# Allegro board ZC7020-PCB.brd (continued)
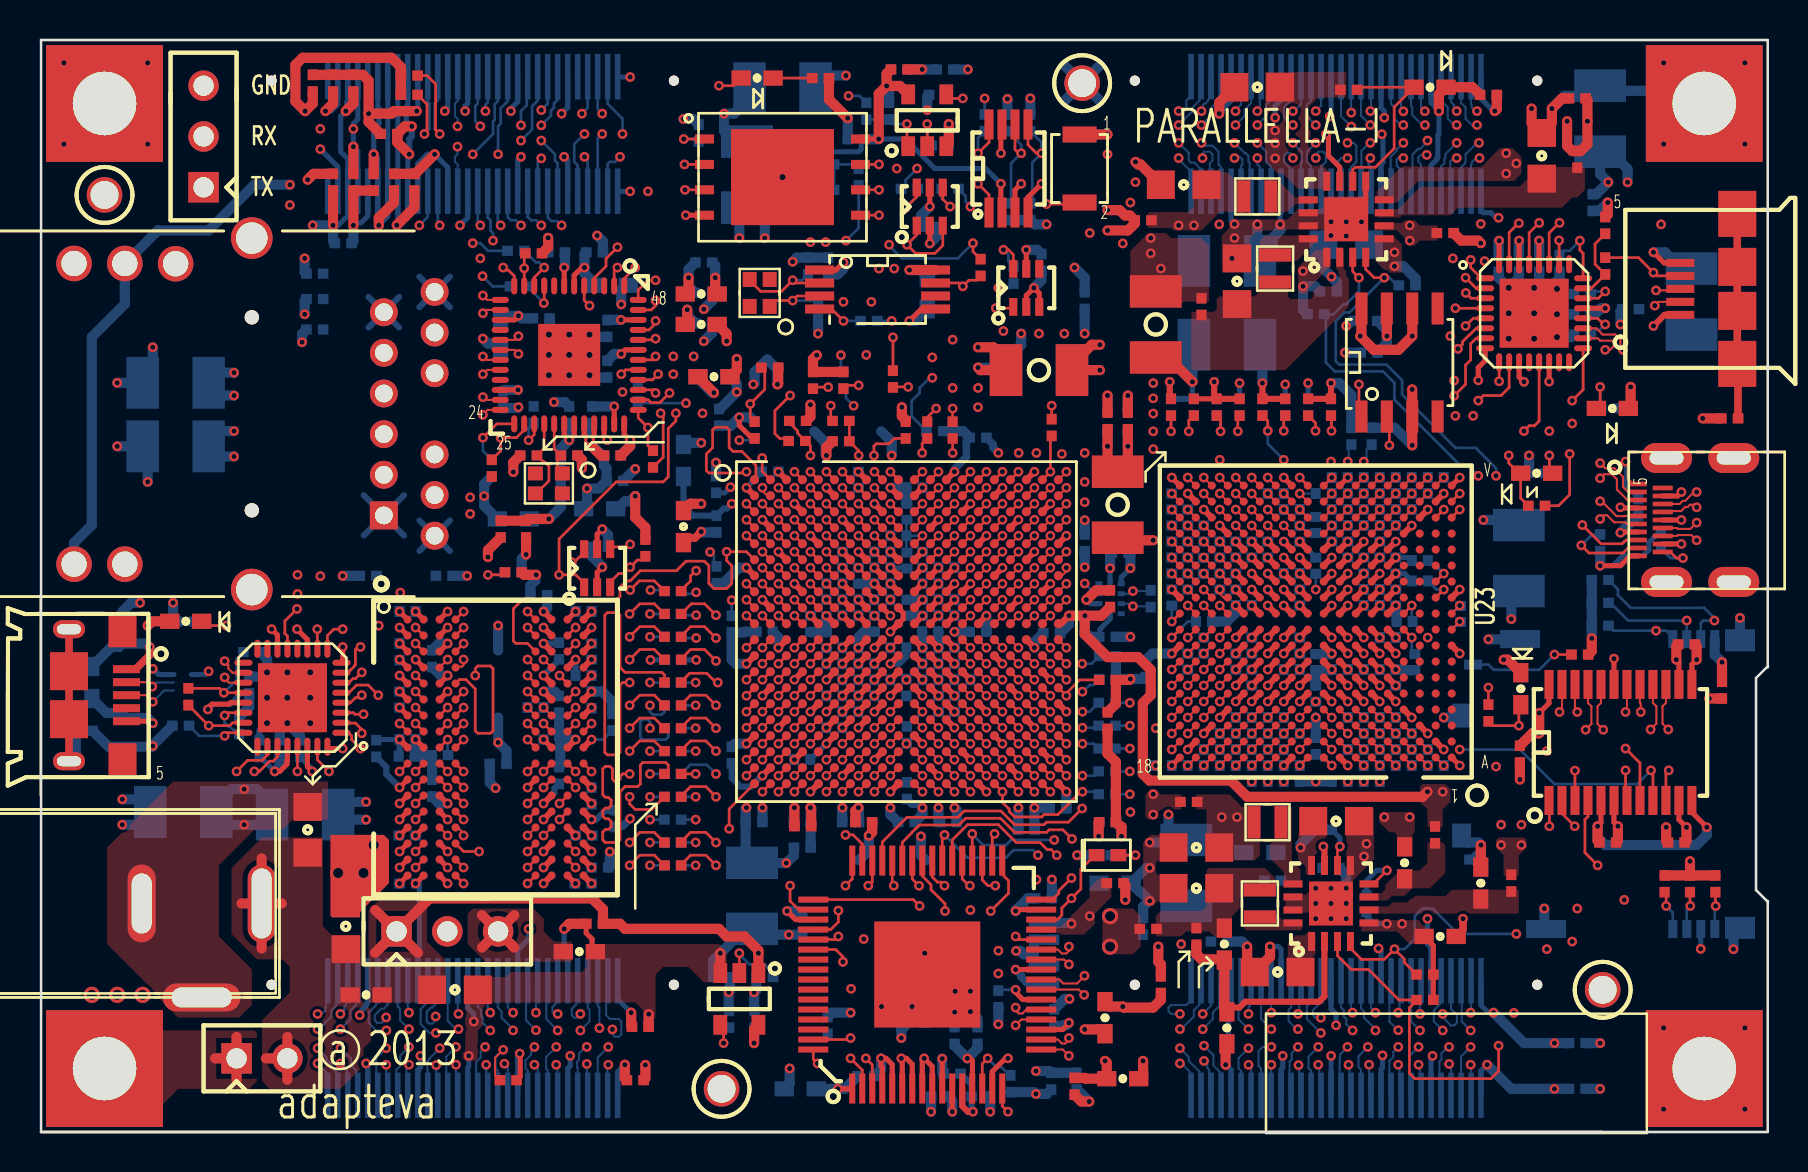
[diagram p0: board, top side]
## Routing (per net, layer and track width the routed paths; a pad name or vN(x,y) marks a point on that pad's centre or on a via; arc(x,y) is an arc through that point) (continued)
TXI_SO_WR_WAIT_P: length 25.7
  TOP w0.102: U23.T10 v1(63.01,31.13)
  L8_SIG w0.095: v1(63.81,50.36) 63.62,50.36 63.41,50.15 63.41,47.81 64.11,47.12 64.11,41.25 63.84,40.98 63.06,40.98 62.97,40.88 62.97,40.5 63.06,40.41 63.84,40.41 64.11,40.13 64.11,37.75 64.12,37.74 64.12,37.16 64.11,37.15 64.11,36.04 63.24,35.17 63.24,33.21 63.43,33.02 63.43,31.25 63.3,31.13 v1(63.01,31.13)
  BOTTOM w0.102: J9.36 63.57,51.58 63.36,51.37 63.36,50.8 v1(63.81,50.36)
TXO_EA_DATA0_N: length 12.8
  TOP w0.102: U2.J19 v1(50.54,26.62) ; U23.G15 v1(59.01,23.13)
  L8_SIG w0.095: v1(59.01,23.13) 58.6,23.54 58.6,24.09 58.51,24.18 58.37,24.32 56.46,24.32 56.22,24.56 56.22,24.93 56.01,25.14 55.65,25.5 53.11,25.5 53.01,25.4 50.35,25.4 50.13,25.62 50.13,26.21 v1(50.54,26.62)
TXO_EA_DATA0_P: length 12.7
  TOP w0.102: U2.K19 v1(50.54,25.82) ; U23.H15 v1(59.01,23.93)
  L8_SIG w0.095: v1(59.01,23.93) 59.01,23.68 59.15,23.54 59.33,23.54 59.42,23.62 59.42,24.87 59.15,25.14 56.44,25.14 55.78,25.8 52.99,25.8 52.56,26.23 50.94,26.23 v1(50.54,25.82)
TXO_EA_DATA1_N: length 14.9
  TOP w0.102: U2.L15 v1(47.34,24.22) ; U23.F16 v1(58.21,22.33)
  L8_SIG w0.095: v1(58.21,22.33) 58.21,22.08 58.07,21.94 56.44,21.94 56.22,22.16 56.22,22.45 55.74,22.92 55.74,23.23 54.97,24 54.28,24 53.65,24.64 48.19,24.64 47.93,24.89 47.12,24.89 47.04,24.82 47.04,24.51 v1(47.34,24.22)
TXO_EA_DATA1_P: length 14.9
  TOP w0.102: U2.L14 v1(46.54,24.22) ; U23.G16 v1(58.21,23.13)
  L8_SIG w0.095: v1(46.54,24.22) 46.74,24.42 46.74,24.94 46.99,25.2 48.06,25.2 48.31,24.94 53.77,24.94 54.41,24.31 55.09,24.31 56.05,23.35 56.05,23.05 56.36,22.74 57.82,22.74 v1(58.21,23.13)
TXO_EA_DATA2_N: length 12
  TOP w0.102: U2.L17 v1(48.94,24.22) ; U23.E17 v1(57.41,21.53)
  L5_SIG w0.095: v1(57.41,21.53) 57.67,21.53 57.79,21.64 57.79,21.8 57.67,21.92 56.41,21.92 56.09,22.23 55.9,22.23 54.97,23.16 54.36,23.16 53.84,23.68 53.84,23.86 53.06,24.64 49.36,24.64 v1(48.94,24.22)
TXO_EA_DATA2_P: length 12
  TOP w0.102: U2.L16 v1(48.14,24.22) ; U23.F17 v1(57.41,22.33)
  L5_SIG w0.095: v1(57.41,22.33) 57.02,22.72 56.41,22.72 56.23,22.53 56.03,22.53 55.09,23.47 54.49,23.47 54.15,23.81 54.15,23.99 53.19,24.94 48.86,24.94 v1(48.14,24.22)
TXO_EA_DATA3_N: length 12.9
  TOP w0.102: U23.D18 v1(56.61,20.73) ; U2.M15 v1(47.34,23.42)
  L3_SIG w0.095: v1(56.61,20.73) 56.87,20.73 57,20.85 57,21.01 56.87,21.14 56.44,21.14 56.36,21.22 55.41,21.22 54.74,21.89 54.28,21.89 52.17,24 51.73,24 51.55,23.83 47.93,23.83 47.62,23.52 47.44,23.52 v1(47.34,23.42)
TXO_EA_DATA3_P: length 13.2
  TOP w0.102: U23.E18 v1(56.61,21.53) ; U2.M14 v1(46.54,23.42)
  L3_SIG w0.095: v1(56.61,21.53) 55.54,21.53 54.87,22.2 54.41,22.2 52.3,24.31 51.8,24.31 51.5,24.61 47.97,24.61 47.73,24.36 47.73,24.06 47.5,23.83 46.94,23.83 v1(46.54,23.42)
TXO_EA_DATA4_N: length 11.5
  TOP w0.102: U23.E15 v1(59.01,21.53) ; U2.L20 v1(51.34,24.22)
  L10_SIG w0.095: v1(59.01,21.53) 59.01,21.77 58.62,22.16 58.62,22.53 58.43,22.72 56.46,22.72 56.31,22.86 56.31,22.87 56.22,22.96 56.22,23.22 55.43,24.01 53.52,24.01 52.73,24.79 51.23,24.79 51.09,24.65 51.09,24.47 v1(51.34,24.22)
TXO_EA_DATA4_P: length 11.6
  TOP w0.102: U23.F15 v1(59.01,22.33) ; U2.L19 v1(50.54,24.22)
  L10_SIG w0.095: v1(50.54,24.22) 50.78,24.47 50.78,24.78 51.1,25.1 52.86,25.1 53.64,24.31 55.56,24.31 56.35,23.52 58.37,23.52 58.62,23.27 58.62,22.96 59.01,22.57 v1(59.01,22.33)
TXO_EA_DATA5_N: length 10.5
  TOP w0.102: U2.M20 v1(51.34,23.42) ; U23.D16 v1(58.21,20.73)
  L8_SIG w0.095: v1(58.21,20.73) 58.18,20.7 57.93,20.7 57.72,20.48 57.72,20.44 57.61,20.34 56.38,20.34 56.18,20.53 56.18,20.83 55.63,21.39 55.63,21.95 54.98,22.59 54.98,22.86 54.68,23.16 53.9,23.16 53.23,23.83 51.97,23.83 51.65,23.52 51.43,23.52 v1(51.34,23.42)
TXO_EA_DATA5_P: length 11
  TOP w0.102: U2.M19 v1(50.54,23.42) ; U23.E16 v1(58.21,21.53)
  L8_SIG w0.095: v1(58.21,21.53) 57.57,21.12 56.33,21.12 55.93,21.51 55.93,22.07 55.29,22.72 55.29,22.99 54.8,23.47 54.03,23.47 53.36,24.14 51.84,24.14 51.52,23.82 50.94,23.82 v1(50.54,23.42)
TXO_EA_DATA6_N: length 11.9
  TOP w0.102: U23.C17 v1(57.41,19.93) ; U2.M18 v1(49.74,23.42)
  L5_SIG w0.095: v1(49.74,23.42) 49.74,23.2 49.91,23.03 51.66,23.03 51.73,23.1 51.73,23.58 52.03,23.88 52.43,23.88 53.65,22.66 53.65,22.4 54.16,21.89 54.79,21.89 55.25,21.44 55.25,21.01 55.67,20.58 56.15,20.58 56.42,20.32 57.19,20.32 57.41,20.1 v1(57.41,19.93)
TXO_EA_DATA6_P: length 11.9
  TOP w0.102: U2.M17 v1(48.94,23.42) ; U23.D17 v1(57.41,20.73)
  L5_SIG w0.095: v1(48.94,23.42) 49.33,23.81 51.53,23.81 51.9,24.18 52.55,24.18 53.95,22.78 53.95,22.53 54.28,22.2 54.92,22.2 55.55,21.56 55.55,21.13 55.8,20.89 56.1,20.89 56.32,21.12 57.02,21.12 v1(57.41,20.73)
TXO_EA_DATA7_N: length 12.4
  TOP w0.102: U2.N16 v1(48.14,22.62) ; U23.B18 v1(56.61,19.13)
  L3_SIG w0.095: v1(56.61,19.13) 56.36,19.37 56.03,19.37 55.93,19.47 55.14,19.47 55.04,19.57 54.07,19.57 53.24,20.4 53.24,21.54 52.3,22.48 51.87,22.48 51.62,22.23 51.11,22.23 51.09,22.21 48.08,22.21 47.96,22.34 47.96,22.49 48.08,22.62 v1(48.14,22.62)
TXO_EA_DATA7_P: length 12.7
  TOP w0.102: U2.N15 v1(47.34,22.62) ; U23.C18 v1(56.61,19.93)
  L3_SIG w0.095: v1(47.34,22.62) 47.73,23.01 51.64,23.01 51.87,22.78 52.43,22.78 53.55,21.67 53.55,20.52 54.2,19.87 55.17,19.87 55.26,19.78 56.05,19.78 56.15,19.68 56.36,19.68 v1(56.61,19.93)
TXO_EA_FRAME_N: length 11.4
  TOP w0.102: U2.H20 v1(51.34,27.42) ; U23.J15 v1(59.01,24.73)
  L10_SIG w0.095: v1(51.34,27.42) 50.94,27.03 50.94,26.46 51.19,26.21 53.34,26.21 54.03,25.53 55.68,25.53 56.11,25.96 56.73,25.96 57.55,25.14 58.59,25.14 v1(59.01,24.73)
TXO_EA_FRAME_P: length 11.7
  TOP w0.102: U23.K15 v1(59.01,26.33) ; U2.J20 v1(51.34,26.62)
  L10_SIG w0.095: v1(59.01,26.33) 59.24,26.33 59.36,26.2 59.36,25.81 59,25.44 57.67,25.44 56.85,26.26 55.98,26.26 55.55,25.83 54.15,25.83 53.47,26.52 52.89,26.52 52.76,26.64 52.76,26.91 52.63,27.04 52.09,27.04 52.03,27.1 51.73,27.1 51.62,26.99 51.62,26.75 51.49,26.62 v1(51.34,26.62)
TXO_EA_LCLK_N: length 11.2
  TOP w0.102: U23.F18 v1(56.61,22.33) ; U2.K18 v1(49.74,25.82)
  L3_SIG w0.095: v1(56.61,22.33) 56.61,22.53 56.48,22.66 56.31,22.66 56.19,22.53 56.19,22.35 56.06,22.22 55.91,22.22 55.6,22.53 55.6,22.96 54.97,23.6 54.36,23.6 52.63,25.32 49.46,25.32 49.33,25.45 49.33,25.69 49.46,25.82 v1(49.74,25.82)
TXO_EA_LCLK_P: length 12.5
  TOP w0.102: U2.K17 v1(48.94,25.82) ; U23.G18 v1(56.61,23.13)
  L3_SIG w0.095: v1(56.61,23.13) 57,22.74 57,22.16 56.75,21.92 55.78,21.92 55.3,22.4 55.3,22.83 54.84,23.29 54.23,23.29 52.5,25.02 49.33,25.02 49.02,25.32 49.02,25.73 v1(48.94,25.82)
TXO_NO_DATA0_N: length 22.7
  TOP w0.102: U23.D11 v1(62.21,20.73)
  L8_SIG w0.095: v1(62.21,20.73) 62.62,20.32 62.62,17.22 62.28,16.89 62.28,16.38 61.65,15.75 61.65,14.5 62.31,13.84 62.31,12.57 61.65,11.91 61.65,10.49 62.28,9.85 62.28,8.26 62.03,8 61.57,8 61.44,7.87 61.44,7.37 62.44,6.37 62.44,4.08 62.55,3.97 62.55,3.65 62.26,3.37 v1(61.58,3.37)
  BOTTOM w0.102: J8.43 61.57,3.35 v1(61.58,3.37)
TXO_NO_DATA0_P: length 22.8
  TOP w0.102: U23.D12 v1(61.41,20.73)
  L8_SIG w0.095: v1(61.41,20.73) 61.81,20.32 61.81,16.98 61.98,16.82 61.98,16.51 61.34,15.87 61.34,14.38 62,13.72 62,12.7 61.34,12.04 61.34,10.36 61.98,9.73 61.98,8.38 61.9,8.31 61.44,8.31 61.14,8 61.14,7.24 62.13,6.25 62.13,4.38 62,4.25 v1(61.58,4.25)
  BOTTOM w0.102: J8.45 61.07,3.17 60.95,3.3 60.95,4.05 61.15,4.25 v1(61.58,4.25)
TXO_NO_DATA1_N: length 22.7
  TOP w0.102: U23.C12 v1(61.41,19.93)
  L8_SIG w0.095: v1(61.41,19.93) 61.41,20.19 61.28,20.32 61.14,20.32 61,20.18 61,18.56 61.01,18.54 61.01,17.32 60.71,17.02 60.71,15.42 60.3,15.01 58.98,15.01 58.85,14.88 58.85,13.31 58.98,13.18 60.35,13.18 60.66,12.88 60.66,12.34 60.35,12.04 59.82,12.04 59.69,11.91 59.69,11.31 59.94,11.06 59.94,8.58 60.26,8.25 60.26,7.12 61.14,6.25 61.14,5.74 61.29,5.59 61.46,5.59 61.58,5.71 v1(61.58,5.97)
  BOTTOM w0.102: v1(61.58,5.97) 61.57,5.98 J8.44
TXO_NO_DATA1_P: length 23.1
  TOP w0.102: U23.C13 v1(60.61,19.93)
  L8_SIG w0.095: v1(60.61,19.93) 60.22,19.54 60.22,17.33 60.4,17.14 60.4,15.54 60.17,15.32 58.85,15.32 58.55,15.01 58.55,13.18 58.85,12.88 60.23,12.88 60.35,12.75 60.35,12.47 60.23,12.34 59.69,12.34 59.39,12.04 59.39,11.18 59.63,10.94 59.63,8.45 59.96,8.13 59.96,7 60.84,6.12 60.84,5.61 61.17,5.28 61.24,5.28 61.38,5.14 v1(61.58,5.14)
  BOTTOM w0.102: v1(61.58,5.14) 61.07,5.66 J8.46
TXO_NO_DATA2_N: length 23.1
  TOP w0.102: U23.B13 v1(60.61,19.13)
  L5_SIG w0.095: v1(60.61,19.13) 61,18.74 61,17.24 60.78,17.02 60.78,15.13 60.38,14.73 58.9,14.73 58.65,14.48 58.65,13.28 59.24,12.7 59.87,12.7 60.17,12.39 60.17,9.91 59.87,9.6 59.62,9.6 59.46,9.45 59.46,6.76 59.62,6.6 60.89,6.6 61.19,6.3 61.19,4.11 v1(60.45,3.36)
  BOTTOM w0.102: J8.47 60.57,3.23 v1(60.45,3.36)
TXO_NO_DATA2_P: length 23.5
  TOP w0.102: U23.B14 v1(59.81,19.13)
  L5_SIG w0.095: v1(60.44,4.19) 60.41,4.16 60.41,4.11 60.53,4.11 60.89,4.47 60.89,6.17 60.76,6.3 59.49,6.3 59.16,6.63 59.16,9.58 59.49,9.91 59.74,9.91 59.87,10.03 59.87,12.27 59.74,12.4 59.11,12.4 58.35,13.16 58.35,14.6 58.78,15.04 60.25,15.04 60.47,15.26 60.47,17.02 60.2,17.29 60.2,18.72 59.81,19.11 v1(59.81,19.13)
  BOTTOM w0.102: J8.49 60.07,3.05 59.95,3.17 59.95,3.7 v1(60.44,4.19)
TXO_NO_DATA3_N: length 23.3
  TOP w0.102: U23.A14 v1(59.81,18.33)
  L3_SIG w0.095: v1(60.44,5.91) 60.44,5.71 60.31,5.59 60.12,5.59 60,5.71 60,6.71 59.72,6.99 58.75,6.99 58.65,7.08 58.65,7.46 58.75,7.56 59.72,7.56 60,7.83 60,8.64 59.92,8.71 59.92,10.29 60.63,11 60.63,11.81 60.33,12.12 58.73,12.12 58.6,12.24 58.6,13.87 58.7,13.97 59.09,13.97 59.49,13.97 59.74,14.22 59.74,14.86 59.45,15.15 58.7,15.15 58.6,15.25 58.6,15.95 59.31,16.66 59.31,18.08 59.4,18.16 59.4,18.7 59.49,18.8 59.56,18.8 59.81,18.55 v1(59.81,18.33)
  BOTTOM w0.102: v1(60.44,5.91) 60.44,6.22 60.51,6.29 60.51,7.5 J8.48
TXO_NO_DATA3_P: length 23.5
  TOP w0.102: U23.A15 v1(59.01,18.33)
  L3_SIG w0.095: v1(60.44,5.14) 60.07,5.14 59.69,5.52 59.69,6.59 59.6,6.68 58.62,6.68 58.35,6.96 58.35,7.59 58.62,7.86 59.6,7.86 59.69,7.96 59.69,8.51 59.62,8.59 59.62,10.41 60.33,11.12 60.33,11.68 60.2,11.81 58.6,11.81 58.3,12.12 58.3,14 58.57,14.27 58.77,14.27 59.36,14.27 59.44,14.35 59.44,14.73 59.33,14.85 58.57,14.85 58.3,15.12 58.3,16.08 59.01,16.79 v1(59.01,18.33)
  BOTTOM w0.102: J8.50 60.07,6.3 59.95,6.17 59.95,5.64 v1(60.44,5.14)
TXO_NO_DATA4_N: length 24.2
  TOP w0.102: U23.D13 v1(60.61,20.73)
  L8_SIG w0.095: v1(58.22,4.32) 58.22,4.11 58.09,3.99 57.84,3.99 57.71,4.11 57.71,6.2 56.69,7.22 56.69,9.92 56.25,10.35 56.25,11.49 57.08,12.32 57.08,15.31 57.14,15.37 57.14,15.81 57.48,16.15 57.48,17.85 57.8,18.16 57.8,19.27 58.04,19.52 58.35,19.52 58.6,19.76 58.6,20.09 58.83,20.32 60.2,20.32 v1(60.61,20.73)
  BOTTOM w0.102: v1(58.22,4.32) 58.69,3.85 58.69,3.33 59.07,2.94 J8.53
TXO_NO_DATA4_P: length 24
  TOP w0.102: U23.D14 v1(59.81,20.73)
  L8_SIG w0.095: v1(59.81,20.73) 59.56,20.73 59.17,21.12 58.84,21.12 58.62,20.89 58.62,20.56 58.37,20.32 58.04,20.32 57.82,20.09 57.82,19.78 57.57,19.54 57.26,19.54 57,19.27 57,18.09 57.18,17.91 57.18,16.38 56.83,16.04 56.83,15.49 56.77,15.43 56.77,12.45 55.94,11.62 55.94,10.23 56.38,9.79 56.38,7.1 57.41,6.07 57.41,3.99 57.71,3.68 58.09,3.68 v1(58.22,3.56)
  BOTTOM w0.102: J8.55 58.47,1.93 58.47,3.11 58.38,3.2 58.38,3.39 v1(58.22,3.56)
TXO_NO_DATA5_N: length 24.3
  TOP w0.102: U23.C14 v1(59.81,19.93)
  L8_SIG w0.095: v1(58.16,5.14) 58.72,5.71 58.72,7.33 58.88,7.49 58.98,7.49 59.24,7.75 59.24,8.26 58.93,8.56 58.02,8.56 57.89,8.69 57.89,9.02 58.02,9.14 58.85,9.14 59.11,9.4 59.11,10.25 58.77,10.59 57.15,10.59 57.05,10.69 57.05,11.07 57.15,11.16 57.62,11.16 57.89,11.44 57.89,15.55 58.47,16.13 58.98,16.13 59.42,16.56 59.42,19.31 59.81,19.7 v1(59.81,19.93)
  BOTTOM w0.102: J8.54 58.98,7.47 58.98,6.3 58.66,5.98 58.66,5.65 v1(58.16,5.14)
TXO_NO_DATA5_P: length 23.8
  TOP w0.102: U23.C15 v1(59.01,19.93)
  L8_SIG w0.095: v1(58.16,5.91) 58.07,5.99 58.07,6.53 58.17,6.63 58.3,6.63 58.41,6.75 58.41,7.46 58.75,7.8 58.85,7.8 58.93,7.87 58.93,8.13 58.8,8.25 57.89,8.25 57.58,8.56 57.58,9.14 57.89,9.45 58.73,9.45 58.8,9.52 58.8,10.13 58.64,10.29 57.02,10.29 56.75,10.56 56.75,11.19 57.02,11.47 57.49,11.47 57.58,11.56 57.58,15.67 58.35,16.43 58.85,16.43 59.11,16.69 59.11,17.77 59.01,17.87 58.74,17.87 58.62,17.99 58.62,19.43 58.72,19.53 59.19,19.53 59.38,19.72 59.38,19.89 59.26,20.01 59.09,20.01 v1(59.01,19.93)
  BOTTOM w0.102: J8.56 58.57,6.32 v1(58.16,5.91)
TXO_NO_DATA6_N: length 23.7
  TOP w0.102: U23.B15 v1(59.01,19.13)
  L5_SIG w0.095: v1(59.01,19.13) 59.4,18.74 59.4,18.11 59.13,17.84 59.13,17.17 57.76,15.8 57.76,13.08 57.46,12.78 56.95,12.78 56.87,12.7 56.87,12.32 56.95,12.24 57.46,12.24 57.97,11.73 57.97,10.54 57.53,10.11 56.82,10.11 56.63,9.92 56.63,8.5 56.95,8.18 57.46,8.18 57.76,7.87 57.76,7.42 56.36,6.02 56.36,4.22 56.58,4 56.82,4 v1(57.01,4.19)
  BOTTOM w0.102: J8.57 57.99,1.92 57.99,3.02 57.46,3.56 57.46,3.75 v1(57.01,4.19)
TXO_NO_DATA6_P: length 23.3
  TOP w0.102: U23.B16 v1(58.21,19.13)
  L5_SIG w0.095: v1(58.21,19.13) 58.6,18.74 58.6,18.08 58.83,17.84 58.83,17.3 57.46,15.93 57.46,13.21 57.33,13.08 56.82,13.08 56.57,12.83 56.57,12.19 56.82,11.94 57.33,11.94 57.66,11.61 57.66,10.67 57.41,10.41 56.7,10.41 56.32,10.04 56.32,8.37 56.82,7.87 57.33,7.87 57.46,7.75 57.46,7.54 56.06,6.15 56.06,4.09 56.45,3.7 56.81,3.7 57.01,3.49 v1(57.01,3.43)
  BOTTOM w0.102: J8.59 57.51,1.9 57.51,3.02 57.15,3.38 57.1,3.43 v1(57.01,3.43)
TXO_NO_DATA7_N: length 24
  TOP w0.102: U23.A16 v1(58.21,18.33)
  L3_SIG w0.095: v1(58.21,18.33) 58.21,18.3 57.96,18.05 57.96,16.7 57.76,16.5 57.76,13.18 57.49,12.9 56.59,12.9 56.49,12.81 56.49,12.43 56.59,12.33 57.58,12.33 57.89,12.03 57.89,11.13 57.58,10.83 56.44,10.83 56.31,10.7 56.31,10.41 56.44,10.29 57.58,10.29 58.02,9.86 58.02,8.37 57.71,8.06 56.85,8.06 56.76,7.97 56.76,7.58 56.85,7.49 57.49,7.49 57.76,7.22 57.76,5.64 57.27,5.14 v1(57.01,5.14)
  BOTTOM w0.102: J8.58 57.99,7.48 57.99,6.37 57.71,6.09 57.71,5.78 57.08,5.14 v1(57.01,5.14)
TXO_NO_DATA7_P: length 23.9
  TOP w0.102: U23.A17 v1(57.41,18.33)
  L3_SIG w0.095: v1(57.41,18.33) 57.41,18.31 57.65,18.07 57.65,16.83 57.46,16.63 57.46,13.3 57.36,13.21 56.46,13.21 56.19,12.94 56.19,12.3 56.46,12.03 57.46,12.03 57.58,11.9 57.58,11.26 57.46,11.13 56.31,11.13 56.01,10.83 56.01,10.29 56.31,9.98 57.46,9.98 57.71,9.73 57.71,8.49 57.58,8.37 56.72,8.37 56.45,8.09 56.45,7.46 56.72,7.18 57.36,7.18 57.46,7.09 57.46,5.77 57.28,5.59 57.14,5.59 57.01,5.71 v1(57.01,5.91)
  BOTTOM w0.102: v1(57.01,5.91) 56.57,5.91 56.44,6.03 56.44,6.22 56.57,6.35 57.33,6.35 57.57,6.59 J8.60
TXO_NO_FRAME_N: length 22.3
  TOP w0.102: U23.D9 v1(64.61,20.73)
  L8_SIG w0.095: v1(63.93,3.37) 64.68,3.37 65,3.68 65,4.83 65.21,5.04 65.21,5.59 64.81,5.99 64.81,6.87 64.1,7.58 64.1,9.66 63.27,10.49 63.27,12.75 63.78,13.26 63.78,15.67 63.38,16.08 63.38,17.64 63.42,17.69 63.42,17.69 63.71,17.98 63.71,19.2 64.2,19.69 64.2,20.61 64.32,20.73 v1(64.61,20.73)
  BOTTOM w0.102: J8.33 63.98,1.92 63.98,3.31 v1(63.93,3.37)
TXO_NO_FRAME_P: length 22.4
  TOP w0.102: U23.D10 v1(63.01,20.73)
  L8_SIG w0.095: v1(63.01,20.73) 63.24,20.95 63.3,20.95 63.42,20.84 63.42,19.34 63.4,19.33 63.4,18.1 63.11,17.81 63.11,17.81 63.07,17.77 63.07,17.52 63.07,15.95 63.48,15.55 63.48,13.39 62.97,12.88 62.97,10.36 63.79,9.54 63.79,7.46 64.51,6.74 64.51,5.57 64.43,5.5 64.43,5.09 64.7,4.83 64.7,4.38 64.57,4.25 v1(63.93,4.25)
  BOTTOM w0.102: v1(63.93,4.25) 63.45,3.77 63.45,3.19 63.57,3.06 J8.35
TXO_NO_LCLK_N: length 22.9
  TOP w0.102: U23.A12 v1(61.41,18.33)
  L3_SIG w0.095: v1(62.94,3.34) 63.51,3.91 63.51,4.42 63.61,4.52 63.61,6.39 62.41,7.59 62.41,10.54 61.65,11.31 61.65,12.75 61.39,13 61.14,13 60.89,13.26 60.89,14.48 61.14,14.73 62.92,14.73 63.3,15.11 63.3,15.67 62.92,16.05 61.39,16.05 60.89,16.56 60.89,17.02 61.02,17.15 61.02,18.16 61.18,18.33 v1(61.41,18.33)
  BOTTOM w0.102: v1(62.94,3.34) 62.94,3.34 62.98,3.3 62.98,1.93 J8.37
TXO_NO_LCLK_P: length 22.9
  TOP w0.102: U23.A13 v1(60.61,18.33)
  L3_SIG w0.095: v1(62.92,4.25) 63.31,4.65 63.31,6.26 62.11,7.47 62.11,10.41 61.34,11.18 61.34,12.63 61.27,12.7 61.01,12.7 60.58,13.13 60.58,14.6 61.01,15.04 62.79,15.04 62.99,15.24 62.99,15.54 62.79,15.75 61.27,15.75 60.58,16.43 60.58,16.94 60.22,17.31 60.22,17.94 v1(60.61,18.33)
  BOTTOM w0.102: J8.39 62.5,1.91 62.5,3.53 62.6,3.63 62.6,3.94 v1(62.92,4.25)
TXO_SO_DATA0_N: length 24.1
  TOP w0.102: U23.R12 v1(61.41,30.33)
  L10_SIG w0.095: v1(60.89,49.47) 60.58,49.47 60.13,49.02 60.13,47.36 61.28,46.22 61.28,44.76 61.59,44.44 61.59,36.49 61.28,36.18 61.28,35.55 61.02,35.29 61.02,34.78 61.28,34.52 61.28,33.27 61.02,33.01 61.02,30.72 v1(61.41,30.33)
  BOTTOM w0.102: v1(60.89,49.47) 61.33,49.02 61.33,48.51 61.57,48.27 J9.43
TXO_SO_DATA0_P: length 23.6
  TOP w0.102: U23.R11 v1(62.21,30.33)
  L10_SIG w0.095: v1(62.21,30.33) 62.21,30.08 62.07,29.95 61.93,29.95 61.8,30.08 61.8,33.06 61.58,33.27 61.58,34.66 61.8,34.87 61.8,35.33 61.58,35.55 61.58,36.06 61.89,36.37 61.89,44.57 61.58,44.88 61.58,46.35 60.44,47.49 60.44,48.9 60.57,49.02 60.76,49.02 60.89,48.9 v1(60.89,48.7)
  BOTTOM w0.102: J9.45 61.01,47.11 61.01,48.26 60.89,48.39 v1(60.89,48.7)
TXO_SO_DATA1_N: length 24.4
  TOP w0.102: U23.T13 v1(60.61,31.13)
  L8_SIG w0.095: v1(60.89,50.36) 60.64,50.36 60.19,49.9 60.19,47.94 61.27,46.86 61.27,45.56 61.28,45.55 61.28,45.23 61.27,45.22 61.27,44.63 61.59,44.31 61.59,36.62 61.22,36.25 61.22,35.43 61.02,35.23 61.02,34.8 61.22,34.6 61.22,33.27 61.01,33.07 61.01,31.14 60.89,31.01 60.72,31.01 v1(60.61,31.13)
  BOTTOM w0.102: J9.44 61.52,52.72 61.52,51.56 61.33,51.37 61.33,50.8 v1(60.89,50.36)
TXO_SO_DATA1_P: length 24.4
  TOP w0.102: U23.T12 v1(61.41,31.13)
  L8_SIG w0.095: v1(60.89,51.05) 61.39,50.55 61.39,50.22 61.11,49.94 60.66,49.94 60.5,49.77 60.5,48.07 61.57,46.99 61.57,45.69 61.58,45.68 61.58,45.1 61.57,45.09 61.57,44.75 61.89,44.43 61.89,36.49 61.52,36.12 61.52,35.5 61.82,35.21 61.82,34.75 61.52,34.46 61.52,33.27 61.8,33 61.8,31.52 v1(61.41,31.13)
  BOTTOM w0.102: v1(60.89,51.05) 60.89,51.18 61.01,51.31 61.01,52.72 J9.46
TXO_SO_DATA2_N: length 24.6
  TOP w0.102: U23.U14 v1(59.81,31.93)
  L8_SIG w0.095: v1(59.74,49.47) 59.55,49.28 59.55,49.26 59.25,48.96 59.25,46.58 60.19,45.64 60.19,44.91 60.39,44.7 60.39,44.08 60.07,43.76 60.07,43.02 60.39,42.7 60.39,41.03 60.3,40.93 59.92,40.93 59.64,40.66 59.64,40.02 59.92,39.75 60.3,39.75 60.39,39.65 60.39,39.27 60.3,39.18 59.92,39.18 59.64,38.91 59.64,38.27 59.92,38 60.3,38 60.39,37.9 60.39,36.63 59.82,36.05 59.82,35.5 59.52,35.2 59.52,34.88 59.62,34.78 59.62,33.22 59.42,33.02 59.42,32.32 v1(59.81,31.93)
  BOTTOM w0.102: J9.47 60.51,47.11 60.51,48.46 60.44,48.52 60.44,48.82 60.32,48.94 60.27,48.94 v1(59.74,49.47)
TXO_SO_DATA2_P: length 24.2
  TOP w0.102: U23.U13 v1(60.61,31.93)
  L8_SIG w0.095: v1(60.61,31.93) 60.71,31.83 60.71,31.67 60.58,31.55 60.32,31.55 60.2,31.67 60.2,33.07 59.92,33.35 59.92,34.47 60.3,34.85 60.3,35.2 60.12,35.38 60.12,35.38 60.12,35.93 60.7,36.5 60.7,38.03 60.42,38.3 60.04,38.3 59.95,38.4 59.95,38.78 60.04,38.87 60.42,38.87 60.7,39.15 60.7,39.78 60.42,40.06 60.04,40.06 59.95,40.15 59.95,40.53 60.04,40.63 60.42,40.63 60.7,40.9 60.7,42.83 60.38,43.15 60.38,43.63 60.7,43.95 60.7,44.83 60.49,45.03 60.49,45.77 59.55,46.71 59.55,48.58 59.68,48.7 v1(59.74,48.7)
  BOTTOM w0.102: J9.49 60.07,48.32 60.14,48.38 60.14,48.64 60.01,48.77 59.81,48.77 v1(59.74,48.7)
TXO_SO_DATA3_N: length 24.6
  TOP w0.102: U23.V15 v1(59.01,32.73)
  L3_SIG w0.095: v1(59.01,32.73) 58.6,33.13 58.6,35.23 58.92,35.55 58.92,36.88 59.17,37.13 59.17,42.61 60.19,43.62 60.19,46.85 60.09,46.95 59.01,46.95 58.7,47.25 58.7,47.82 59.01,48.13 60.09,48.13 60.19,48.22 60.19,50.23 60.06,50.36 v1(59.79,50.36)
  BOTTOM w0.102: v1(59.79,50.36) 60.25,50.81 60.25,51.13 60.57,51.45 J9.48
TXO_SO_DATA3_P: length 24.5
  TOP w0.102: U23.V14 v1(59.81,32.73)
  L3_SIG w0.095: v1(59.81,32.73) 59.42,33.12 59.42,34.86 59.44,34.88 59.44,35.33 59.22,35.55 59.22,36.75 59.48,37.01 59.48,42.48 60.49,43.5 60.49,46.98 60.22,47.25 59.13,47.25 59.01,47.38 59.01,47.7 59.13,47.82 60.22,47.82 60.49,48.1 60.49,50.35 60.25,50.59 60.25,50.92 60.12,51.05 v1(59.79,51.05)
  BOTTOM w0.102: v1(59.79,51.05) 59.95,51.21 59.95,51.26 60.07,51.38 J9.50
TXO_SO_DATA4_N: length 24.7
  TOP w0.102: U23.R14 v1(59.81,30.33)
  L10_SIG w0.095: v1(59.81,30.33) 59.42,30.72 59.42,33.02 59.69,33.3 59.69,34.7 59.52,34.88 59.52,35.2 59.69,35.38 59.69,36.12 59.18,36.63 59.18,42.85 58.29,43.75 58.29,47.05 57.34,48 57.34,49.02 57.65,49.33 57.95,49.33 v1(58.09,49.47)
  BOTTOM w0.102: J9.53 59.07,48.26 58.95,48.39 58.95,49.02 58.64,49.33 58.23,49.33 v1(58.09,49.47)
TXO_SO_DATA4_P: length 24.7
  TOP w0.102: U23.R13 v1(60.61,30.33)
  L10_SIG w0.095: v1(60.61,30.33) 60.61,30.22 60.49,30.1 60.32,30.1 60.2,30.22 60.2,33.02 60,33.22 60,34.58 60.3,34.88 60.3,35.2 60,35.5 60,36.25 59.49,36.75 59.49,42.98 58.59,43.87 58.59,47.18 57.64,48.12 57.64,48.9 57.77,49.02 57.97,49.02 58.14,48.84 v1(58.14,48.7)
  BOTTOM w0.102: J9.55 58.51,47.11 58.51,48.45 58.64,48.58 58.64,48.9 58.51,49.02 58.22,49.02 58.14,48.95 v1(58.14,48.7)
TXO_SO_DATA5_N: length 24
  TOP w0.102: U23.T15 v1(59.01,31.13)
  L8_SIG w0.095: v1(59.01,31.13) 58.9,31.23 58.72,31.23 58.57,31.39 58.4,31.55 58.39,31.54 58.04,31.54 57.82,31.77 57.82,33.3 57.85,33.33 57.85,36.05 58.03,36.24 58.03,42.73 58.29,42.98 58.29,48.17 58.54,48.42 58.54,49.02 58.54,49.96 58.23,50.27 58.18,50.27 v1(58.09,50.36)
  BOTTOM w0.102: v1(58.09,50.36) 58.54,50.8 58.54,51.17 59.07,51.71 J9.54
TXO_SO_DATA5_P: length 24.1
  TOP w0.102: U23.T14 v1(59.81,31.13)
  L8_SIG w0.095: v1(59.81,31.13) 59.4,31.54 58.84,31.54 58.6,31.78 58.6,33.01 58.15,33.45 58.15,35.93 58.34,36.11 58.34,42.6 58.59,42.85 58.59,48.05 58.84,48.3 58.84,48.9 58.84,50.09 58.48,50.45 58.48,50.71 58.14,51.05 v1(58.09,51.05)
  BOTTOM w0.102: J9.56 58.47,52.68 58.47,51.67 58.42,51.61 58.42,51.55 58.3,51.44 58.24,51.44 58.17,51.36 58.17,51.13 v1(58.09,51.05)
TXO_SO_DATA6_N: length 25.2
  TOP w0.102: U23.U16 v1(58.21,31.93)
  L3_SIG w0.095: v1(56.95,49.47) 56.76,49.66 56.19,49.66 55.88,49.35 55.88,48.44 56.06,48.26 56.06,44.83 56.45,44.44 56.45,38.24 56.95,37.75 56.95,36.86 56.38,36.3 56.38,35.55 56.12,35.29 56.12,32.63 56.41,32.34 56.75,32.34 57,32.09 57,31.78 57.24,31.54 57.83,31.54 58.21,31.92 v1(58.21,31.93)
  BOTTOM w0.102: v1(56.95,49.47) 57.46,48.96 57.46,48.58 57.55,48.48 57.74,48.48 58.07,48.15 J9.57
TXO_SO_DATA6_P: length 25.1
  TOP w0.102: U23.U15 v1(59.01,31.93)
  L3_SIG w0.095: v1(56.95,48.7) 56.95,48.95 56.82,49.08 56.79,49.08 56.51,49.35 56.31,49.35 56.19,49.23 56.19,48.56 56.37,48.39 56.37,44.96 56.76,44.57 56.76,38.37 57.25,37.87 57.25,36.74 56.68,36.17 56.68,35.54 57,35.23 57,34.78 56.76,34.54 56.57,34.54 56.43,34.4 56.43,34.22 56.61,34.04 56.82,34.04 57,33.86 57,32.58 57.24,32.34 59.3,32.34 59.43,32.21 59.43,32.05 59.3,31.93 v1(59.01,31.93)
  BOTTOM w0.102: v1(56.95,48.7) 56.95,48.65 57.57,48.03 J9.59
TXO_SO_DATA7_N: length 24.7
  TOP w0.102: U23.V17 v1(57.41,32.73)
  L3_SIG w0.095: v1(57.41,32.73) 57.62,32.94 57.62,33.24 57.91,33.53 57.91,36.75 58.03,36.87 58.03,38.82 57.94,38.92 57.65,38.92 57.38,39.19 57.38,39.83 57.65,40.1 57.94,40.1 58.03,40.19 58.03,40.57 57.94,40.67 57.65,40.67 57.38,40.94 57.38,41.58 57.65,41.85 57.94,41.85 58.03,41.95 58.03,42.33 57.94,42.42 57.65,42.42 57.38,42.7 57.38,43.33 57.65,43.6 57.94,43.6 58.23,43.9 58.23,45.66 57.4,46.49 57.4,50.23 57.27,50.36 v1(56.95,50.36)
  BOTTOM w0.102: J9.58 57.99,52.69 57.99,51.58 57.63,51.23 57.63,51.04 v1(56.95,50.36)
TXO_SO_DATA7_P: length 24.6
  TOP w0.102: U23.V16 v1(58.21,32.73)
  L3_SIG w0.095: v1(58.21,32.73) 58.03,32.91 58.03,33.21 58.22,33.4 58.22,36.63 58.34,36.74 58.34,38.95 58.06,39.22 57.78,39.22 57.69,39.32 57.69,39.7 57.78,39.79 58.06,39.79 58.34,40.07 58.34,40.7 58.06,40.98 57.78,40.98 57.69,41.07 57.69,41.45 57.78,41.55 58.06,41.55 58.34,41.82 58.34,42.45 58.06,42.73 57.78,42.73 57.69,42.82 57.69,43.2 57.78,43.3 58.06,43.3 58.54,43.77 58.54,45.78 57.7,46.62 57.7,50.35 57.4,50.66 57.34,50.66 v1(56.95,51.05)
  BOTTOM w0.102: v1(56.95,51.05) 57.22,51.05 57.33,51.17 57.33,51.57 57.57,51.82 J9.60
TXO_SO_FRAME_N: length 26.2
  TOP w0.102: U23.R10 v1(63.01,30.33)
  L10_SIG w0.095: v1(63.01,30.33) 63.43,30.75 63.43,33.96 62.73,34.66 62.73,40.79 63.65,41.71 63.65,43.28 62.92,44.02 62.92,47.21 63.19,47.48 63.56,47.48 63.65,47.58 63.65,48.17 63.05,48.77 63.05,49.16 63.17,49.28 63.43,49.28 63.55,49.15 63.55,48.96 v1(63.81,48.7)
  BOTTOM w0.102: J9.33 64.07,48.27 64.32,48.51 64.32,48.9 64.19,49.02 63.93,49.02 63.81,48.9 v1(63.81,48.7) ; R236.2 63.66,30.1 63.3,30.1 63.07,30.33 v1(63.01,30.33)
TXO_SO_FRAME_P: length 26.2
  TOP w0.102: U23.R9 v1(64.61,30.33)
  L10_SIG w0.095: v1(63.81,49.47) 63.81,49.45 64.2,49.06 64.2,48.45 63.96,48.21 63.96,47.45 63.69,47.18 63.32,47.18 63.22,47.08 63.22,44.15 63.96,43.41 63.96,41.59 63.03,40.66 63.03,34.78 63.73,34.09 63.73,30.43 64.06,30.1 64.48,30.1 64.61,30.23 v1(64.61,30.33)
  BOTTOM w0.102: v1(63.81,49.47) 63.36,49.02 63.36,48.52 63.57,48.31 J9.35 ; R236.1 63.95,30.61 64.33,30.61 v1(64.61,30.33)